# Altium PCB 1166V10.PcbDoc (part 4 of 6) (continued)
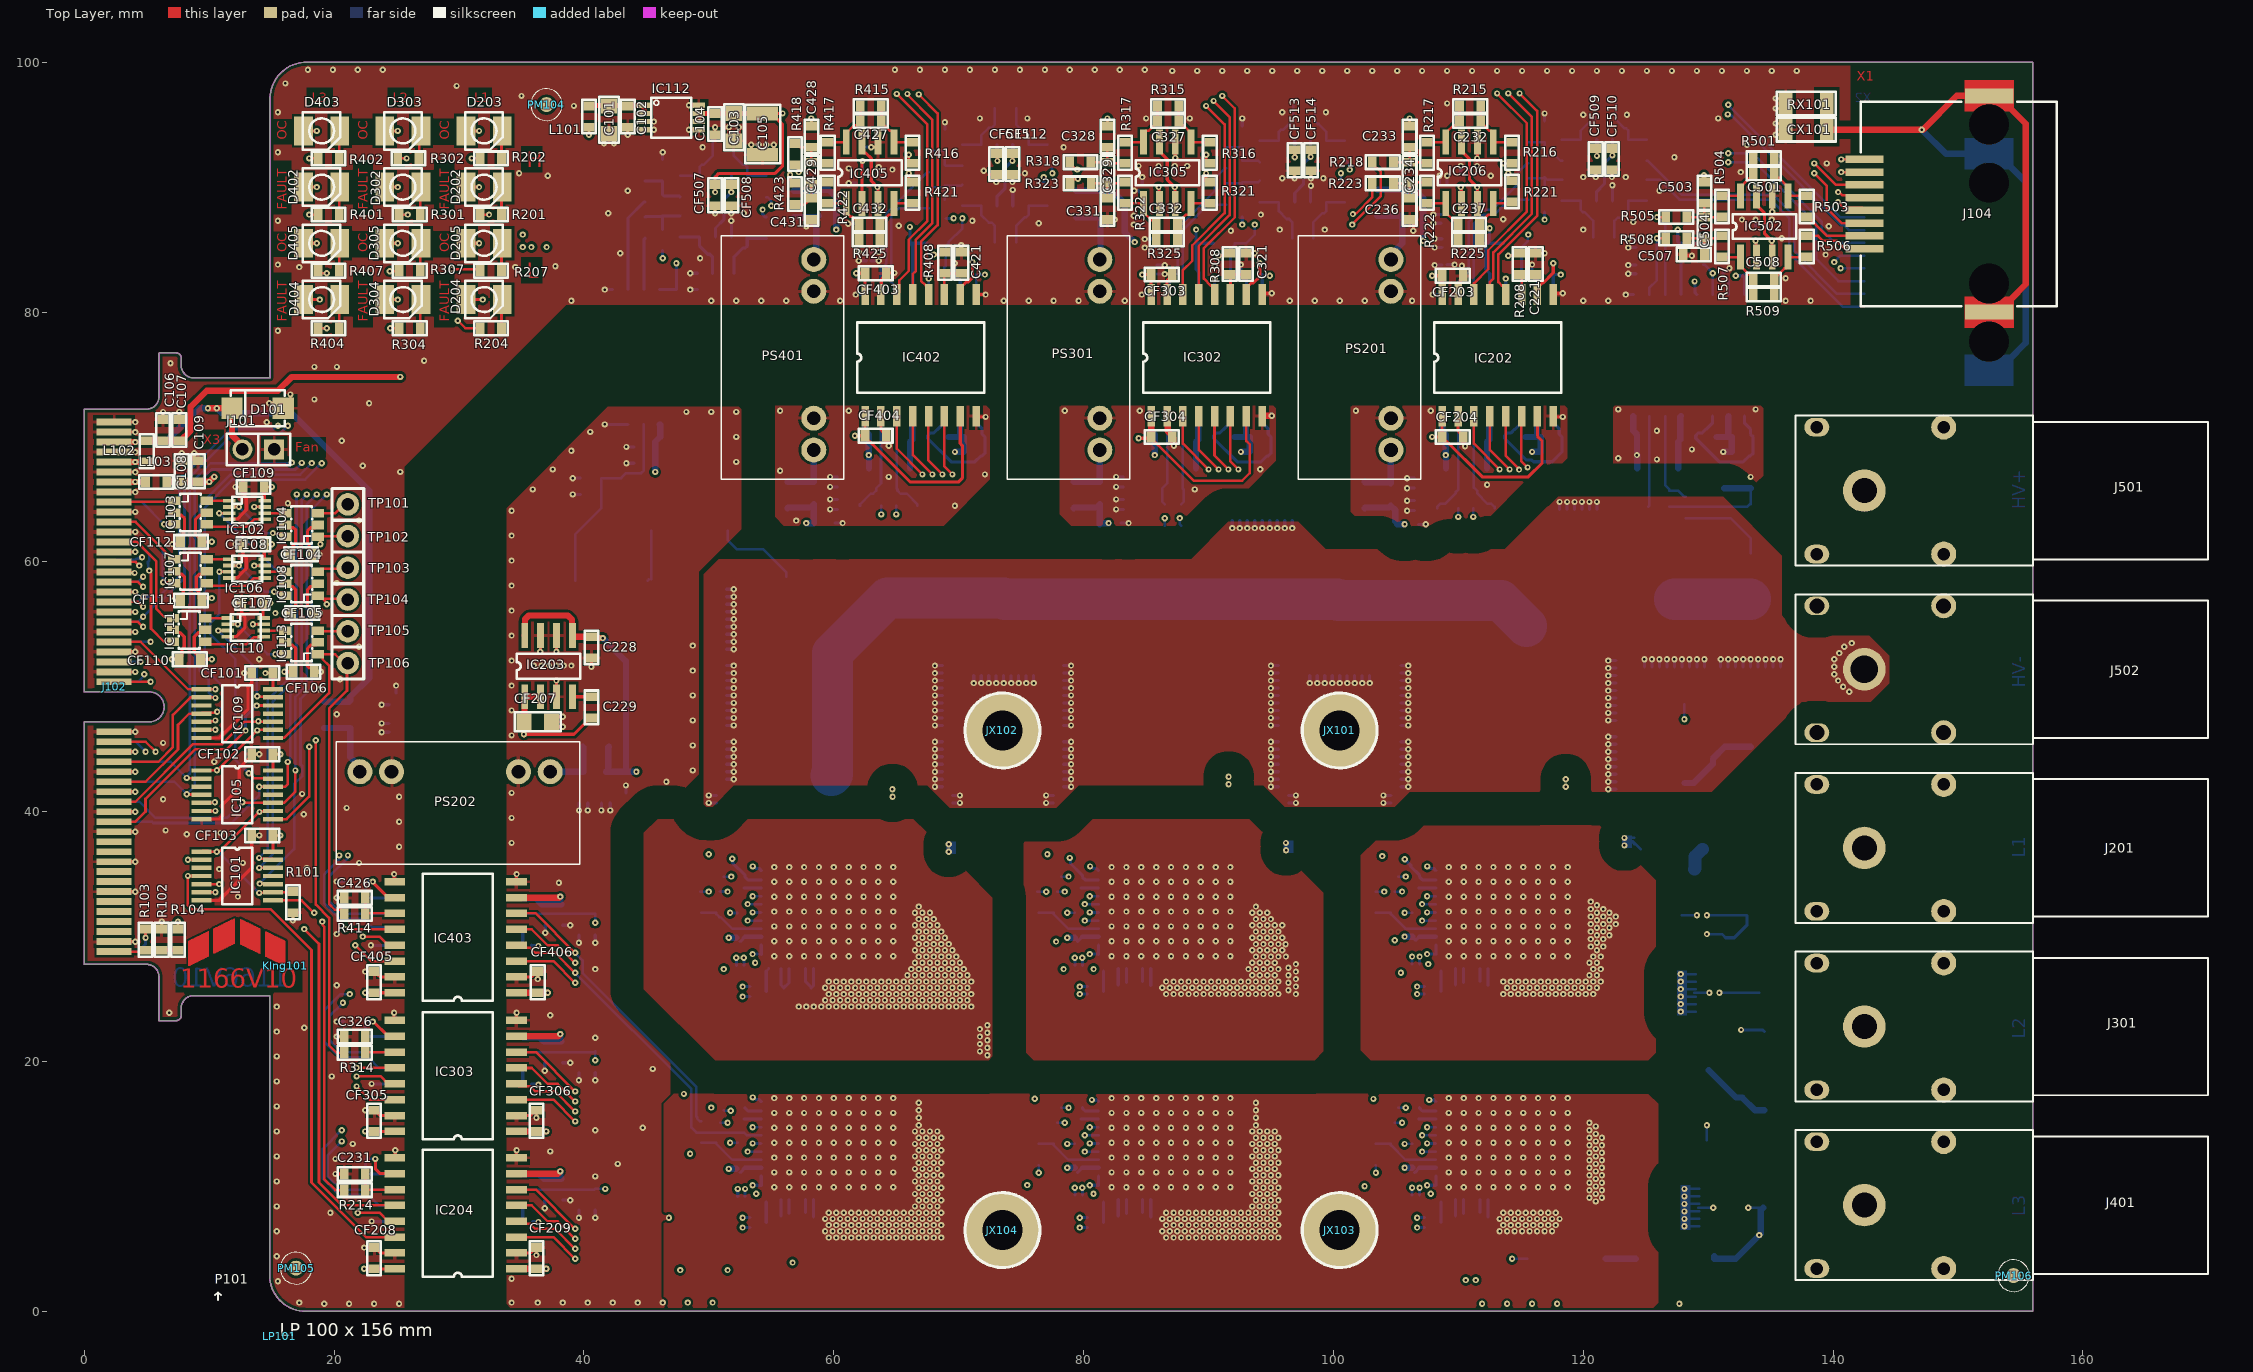
[diagram p0: Top Layer view]
## Nets (pads, with @x,y where several pads share a name; then routed paths per layer and width w, separated by ;. In a path a pad name is that pad's centre, name@x,y a point inside that pad or via, vN(x,y) a via of type N, cw(c..) or ccw(c..) an arc to the next point about the centre after c; other vN are vias at no path point) (continued)
NetC321_2: C321.2 IC302.11 R308.1 | length 2.9
  Top Layer w0.203: IC302.11@91.76,81.4 91.76,82.94 R308.1@91.7,83 C321.2@93,83
NetC323_2: C323.2 Q302.53 | length 1.4
  Bottom Layer w0.254: C323.2@79.9,16.3 79.9,16.258 80.123,16.035 Q302.53@81.2,16.035
NetC324_1: C324.1 Q302.41 Q302.42 | length 2.4
  Bottom Layer w0.254: C324.1@82.775,7.625 Q302.42@82.775,8.95 ; C324.1@83.425,7.825 Q302.41@83.425,8.95
NetC325_2: C325.2 Q302.47 R313.1 | length 5.4
  Bottom Layer w0.203: R313.1@76.4,13.4 C325.2@77.6,13.4 77.6,13.3 78.765,12.135 Q302.47@81.2,12.135
NetC326_2: C326.2 IC303.11 R314.1 | length 3.7
  Top Layer w0.203: C326.2@22.5,22 R314.1@22.5,20.7 22.55,20.75 IC303.11@24.85,20.75
NetC327_1: C327.1 IC305.8 R315.1 R317.2 | length 5
  Top Layer w0.203: R317.2@83.31,93.6 IC305.8@84.8,93.6 84.8,94.325 84.973,94.498 85.208,94.498 85.91,95.2 C327.1@85.91,95.3 R315.1@85.91,96.5
NetC327_2: C327.2 IC305.5 R315.2 R316.1 | length 4.9
  Top Layer w0.203: R315.2@87.61,96.5 C327.2@87.61,95.3 87.61,95.2 87.858,94.952 87.983,94.952 88.61,94.325 IC305.5@88.61,93.6 R316.1@90.11,93.6
NetC328_1: C328.1 C329.2 R317.1 R318.2 | length 3.9
  Top Layer w0.203: R318.2@80.6,92 C329.2@81.9,92 ; C328.1@81.91,93.2 C329.2@81.91,92 82.01,91.9 R317.1@83.31,91.9
NetC329_1: C329.1 C331.2 R322.1 R323.2 | length 3.9
  Top Layer w0.203: R323.2@80.61,90.3 C329.1@81.91,90.3 ; C331.2@81.91,89.1 C329.1@81.91,90.3 ; R322.1@83.31,90.4 83.21,90.3 C329.1@81.91,90.3
NetC330_2: C330.2 IC304.2 R319.1 R324.1 | length 116.9
  Layer 6 w0.203: v1(111.4,2.5) 113.7,4.8 121.8,4.8 125.048,8.048 125.048,11.213 128.735,14.9 v1(129.9,14.9)
  Layer 5 w0.203: v1(40.9,20.1) 41.5,19.5 41.5,11.2 51.394,1.306 110.206,1.306 v1(111.4,2.5)
  Bottom Layer w0.203: IC304.2@35.1,20.73 40.83,20.73 R324.1@40.9,20.8 v1(40.9,20.1) ; R319.1@129.9,13.7 v1(129.9,14.9)
NetC332_1: C332.1 IC305.1 R322.2 R325.1 | length 4.9
  Top Layer w0.203: R322.2@83.31,88.7 IC305.1@84.8,88.7 84.8,87.975 85.427,87.348 85.562,87.348 85.81,87.1 C332.1@85.81,87 R325.1@85.81,85.8
NetC332_2: C332.2 IC305.4 R321.1 R325.2 | length 5
  Top Layer w0.203: R325.2@87.51,85.8 C332.2@87.51,87 87.51,87.1 88.212,87.802 88.437,87.802 88.61,87.975 IC305.4@88.61,88.7 R321.1@90.11,88.7
NetC407_2: C407.2 L401.2 PS401.1 | length 5.5
  Bottom Layer w0.508: L401.2@56.8,87.6 C407.2@58.7,87.6 ; PS401.1@58.4,84.3 58.6,84.5 58.6,87.5 C407.2@58.7,87.6 ; C407.2@58.8,87.7 C407.2@58.7,87.6
NetC410_1: C410.1 Q401.41 Q401.42 | length 3.4
  Bottom Layer w0.254: Q401.42@55.775,27.45 55.775,26.125 C410.1@56,25.9 56.425,26.325 Q401.41@56.425,27.45
NetC411_2: C411.2 IC401.13 IC401.16 | length 8.2
  Layer 2 w0.203: v1(67.603,82.681) 67.684,82.681 68.002,83 v1(72.1,83)
  Bottom Layer w0.203: IC401.13@67.59,81.4 67.597,81.407 67.597,82.675 v1(67.603,82.681) ; IC401.16@71.4,81.4 C411.2@71.4,83 v1(72.1,83)
NetC414_2: C414.2 Q401.47 R406.1 | length 5.4
  Bottom Layer w0.203: R406.1@49.4,31.9 C414.2@50.6,31.9 50.6,31.8 50.848,31.552 50.948,31.552 51.865,30.635 Q401.47@54.2,30.635
NetC415_1: C415.1 C416.1 C417.1 IC401.1 IC401.3 | length 11.4
  Bottom Layer w0.254: IC401.3@68.86,71.65 68.86,71.125 68.335,70.6 68.3,70.6 68.023,70.323 67.723,70.323 67.5,70.1 67.5,70 67.5,69.9 69.4,68 71.3,68 71.777,68.477 71.877,68.477 72.1,68.7 72.1,68.8 72.1,70 71.877,70.223 71.877,70.648 71.4,71.125 IC401.1@71.4,71.65
NetC418_1: C418.1 C419.1 IC401.5 | length 4.2
  Bottom Layer w0.508: C419.1@66.1,67.5 66.1,69.6 66.274,69.774 66.274,71.604 IC401.5@66.32,71.65
NetC420_1: C420.1 IC401.7 R410.2 | length 8
  Bottom Layer w0.203: R410.2@62.1,64.5 62.1,64.6 62.952,65.452 63.152,65.452 63.4,65.7 C420.1@63.4,65.8 63.4,65.9 63.78,66.28 IC401.7@63.78,71.65
NetC420_2: C420.2 IC401.6 R409.2 | length 8.1
  Bottom Layer w0.203: IC401.6@65.05,71.65 65.05,65.85 C420.2@65.1,65.8 65.1,65.7 65.348,65.452 65.848,65.452 66.7,64.6 R409.2@66.7,64.5
NetC421_2: C421.2 IC402.11 R408.1 | length 3
  Top Layer w0.203: IC402.11@68.86,81.4 68.86,83.06 R408.1@68.9,83.1 C421.2@70.2,83.1
NetC423_2: C423.2 Q402.53 | length 1.4
  Bottom Layer w0.254: C423.2@52.9,16.3 52.9,16.258 53.123,16.035 Q402.53@54.2,16.035
NetC424_1: C424.1 Q402.41 Q402.42 | length 2.4
  Bottom Layer w0.254: C424.1@55.775,7.625 Q402.42@55.775,8.95 ; C424.1@56.425,7.825 Q402.41@56.425,8.95
NetC425_2: C425.2 Q402.47 R413.1 | length 5.4
  Bottom Layer w0.203: R413.1@49.4,13.5 C425.2@50.6,13.5 50.6,13.4 51.865,12.135 Q402.47@54.2,12.135
NetC426_2: C426.2 IC403.11 R414.1 | length 3.7
  Top Layer w0.203: C426.2@22.5,33.1 R414.1@22.5,31.8 22.55,31.85 IC403.11@24.85,31.85
NetC427_1: C427.1 IC405.8 R415.1 R417.2 | length 5
  Top Layer w0.203: R417.2@59.51,93.6 IC405.8@61,93.6 61,94.325 61.627,94.952 61.862,94.952 62.11,95.2 C427.1@62.11,95.3 R415.1@62.11,96.5
NetC427_2: C427.2 IC405.5 R415.2 R416.1 | length 4.9
  Top Layer w0.203: R415.2@63.81,96.5 C427.2@63.81,95.3 63.81,95.2 64.512,94.498 64.637,94.498 64.81,94.325 IC405.5@64.81,93.6 R416.1@66.31,93.6
NetC428_1: C428.1 C429.2 R417.1 R418.2 | length 4
  Top Layer w0.203: R418.2@56.9,93.5 57,93.5 57.3,93.2 C428.1@58.21,93.2 C429.2@58.21,92 58.31,91.9 R417.1@59.51,91.9
NetC429_1: C429.1 C431.2 R422.1 R423.2 | length 4.1
  Top Layer w0.203: R423.2@56.9,88.6 57.655,88.6 57.862,88.807 57.862,88.852 58.11,89.1 C431.2@58.21,89.1 C429.1@58.21,90.3 59.41,90.3 R422.1@59.51,90.4
NetC430_2: C430.2 IC404.2 R419.1 R424.1 | length 85.8
  Layer 6 w0.203: v1@114.4,4.1 v1@114.5,4.2
  Layer 5 w0.203: v1(41.7,9.8) 42.325,9.8 51.225,0.9 111,0.9 v1(114.3,4.2) ; v1@114.2,4.3 v1@114.3,4.4
  Bottom Layer w0.203: IC404.2@35.1,9.73 40.83,9.73 R424.1@40.9,9.8 v1(41.7,9.8) ; v1(114.3,4.2) R419.1@115.5,4.2
NetC432_1: C432.1 IC405.1 R422.2 R425.1 | length 4.9
  Top Layer w0.203: R422.2@59.51,88.7 IC405.1@61,88.7 61,87.975 61.339,87.636 61.474,87.636 62.01,87.1 C432.1@62.01,87 R425.1@62.01,85.8
NetC432_2: C432.2 IC405.4 R421.1 R425.2 | length 5
  Top Layer w0.203: R425.2@63.71,85.8 C432.2@63.71,87 63.71,87.1 64.412,87.802 64.637,87.802 64.81,87.975 IC405.4@64.81,88.7 R421.1@66.31,88.7
NetC501_1: C501.1 IC502.8 R501.1 R504.2 | length 4.9
  Top Layer w0.203: R504.2@131.1,89.3 IC502.8@132.59,89.3 132.59,90.025 132.763,90.198 132.798,90.198 133.6,91 C501.1@133.6,91.1 R501.1@133.6,92.3
NetC501_2: C501.2 IC502.5 R501.2 R503.1 | length 5
  Top Layer w0.203: R501.2@135.3,92.3 C501.2@135.3,91.1 135.3,91 135.548,90.752 135.673,90.752 136.4,90.025 IC502.5@136.4,89.3 R503.1@137.9,89.3
NetC502_2: C502.2 IC501.13 IC501.16 | length 7
  Top Layer w0.254: v1@128.862,82.499 v1(128.909,82.452)
  Layer 2 w0.254: v1(128.909,82.452) 131.752,82.452 v1(132.2,82.9)
  Bottom Layer w0.254: v1(128.909,82.452) 128.956,82.404 128.956,81.534 IC501.13@129.09,81.4 ; v1(132.2,82.9) 132.8,82.9 C502.2@132.9,83 IC501.16@132.9,81.4
NetC503_1: C503.1 C504.2 R504.1 R505.2 | length 3.9
  Top Layer w0.203: R505.2@128.3,87.6 C504.2@129.7,87.6 ; C503.1@129.7,88.7 C504.2@129.7,87.6 ; R504.1@131.1,87.6 C504.2@129.7,87.6
NetC504_1: C504.1 C507.2 R507.1 R508.2 | length 4
  Top Layer w0.203: R508.2@128.3,85.9 C504.1@129.7,85.9 ; C507.2@129.7,84.8 C504.1@129.7,85.9 ; R507.1@131.1,86.1 130.9,85.9 C504.1@129.7,85.9
NetC508_1: C508.1 IC502.1 R507.2 R509.1 | length 4.9
  Top Layer w0.203: R507.2@131.1,84.4 IC502.1@132.59,84.4 132.59,83.675 133.317,82.948 133.352,82.948 133.6,82.7 C508.1@133.6,82.6 R509.1@133.6,81.4
NetC508_2: C508.2 IC502.4 R506.1 R509.2 | length 5
  Top Layer w0.203: R509.2@135.3,81.4 C508.2@135.3,82.6 135.3,82.7 136.102,83.502 136.227,83.502 136.4,83.675 IC502.4@136.4,84.4 R506.1@137.9,84.4
NetC509_1: C509.1 IC504.8 R510.1 R514.2 | length 5
  Bottom Layer w0.254: R514.2@47.7,86 IC504.8@49.26,86 49.26,85.275 49.912,84.623 50.077,84.623 50.3,84.4 C509.1@50.3,84.3 R510.1@50.3,83.1
NetC509_2: C509.2 IC504.5 R510.2 R513.1 | length 5
  Bottom Layer w0.254: R510.2@52,83.1 C509.2@52,84.3 52,84.4 52.727,85.127 52.922,85.127 53.07,85.275 IC504.5@53.07,86 53.17,85.9 R513.1@54.6,85.9
NetC510_1: C510.1 C511.1 C512.1 IC501.1 IC501.3 | length 11.4
  Bottom Layer w0.254: IC501.3@130.36,71.65 130.36,71.125 129.835,70.6 129.8,70.6 129.523,70.323 129.223,70.323 129,70.1 C510.1@129,70 129,69.9 130.9,68 132.8,68 133.277,68.477 133.377,68.477 133.6,68.7 C512.1@133.6,68.8 C511.1@133.6,70 133.377,70.223 133.377,70.648 132.9,71.125 IC501.1@132.9,71.65
NetC513_1: C513.1 C514.1 IC501.5 | length 4.2
  Bottom Layer w0.508: C514.1@127.6,67.5 C513.1@127.6,69.6 127.774,69.774 127.774,71.604 IC501.5@127.82,71.65
NetC515_1: C515.1 IC501.7 R517.2 | length 7.3
  Bottom Layer w0.203: R517.2@125.2,64.4 125.28,64.48 IC501.7@125.28,71.65
NetC515_2: C515.2 IC501.6 R516.2 | length 7.6
  Bottom Layer w0.203: IC501.6@126.55,71.65 126.55,66.15 126.9,65.8 C515.2@126.9,65.7 127.6,65.7 128.1,65.2 R516.2@128.2,65.2
NetC516_1: C516.1 C517.2 R514.1 R515.2 | length 3.9
  Bottom Layer w0.254: R515.2@44.9,87.6 44.95,87.65 46.25,87.65 C517.2@46.3,87.7 ; C516.1@46.3,86.6 C517.2@46.3,87.7 ; R514.1@47.7,87.7 C517.2@46.3,87.7
NetC517_1: C517.1 C519.2 R520.1 R521.2 | length 4
  Bottom Layer w0.254: R521.2@44.9,90.5 C519.2@46.3,90.5 C517.1@46.3,89.4 46.4,89.3 47.6,89.3 R520.1@47.7,89.2
NetC518_2: C518.2 IC503.2 R512.1 R522.1 | length 16.4
  Bottom Layer w0.203: R512.1@39.3,58.5 39.3,62.2 41.4,64.3 C518.2@41.4,66.7 42.974,66.7 43.374,67.1 44.581,67.1 44.8,67.319 IC503.2@44.8,71
NetC520_1: C520.1 IC504.1 R520.2 R523.1 | length 5
  Bottom Layer w0.203: R520.2@47.7,90.9 IC504.1@49.26,90.9 49.26,91.625 49.433,91.798 49.598,91.798 50.3,92.5 C520.1@50.3,92.6 R523.1@50.3,93.8
NetC520_2: C520.2 IC504.4 R519.1 R523.2 | length 5
  Bottom Layer w0.203: R523.2@52,93.8 C520.2@52,92.6 52,92.5 52.702,91.798 52.897,91.798 53.07,91.625 IC504.4@53.07,90.9 R519.1@54.6,90.9
NetC528_1: C528.1 IC505.8 R524.1 R526.2 | length 4.9
  Bottom Layer w0.203: R526.2@118.3,88.9 IC505.8@119.8,88.9 119.8,88.175 119.973,88.002 120.098,88.002 120.8,87.3 C528.1@120.8,87.2 R524.1@120.8,86
NetC528_2: C528.2 IC505.5 R524.2 R525.1 | length 5
  Bottom Layer w0.203: R524.2@122.5,86 C528.2@122.5,87.2 122.5,87.3 122.748,87.548 122.983,87.548 123.61,88.175 IC505.5@123.61,88.9 R525.1@125.07,88.9
NetC529_1: C529.1 C530.2 R526.1 R527.2 | length 3.9
  Bottom Layer w0.203: R527.2@115.6,90.7 116.8,90.7 C530.2@116.9,90.8 ; C529.1@116.9,89.7 C530.2@116.9,90.8 ; R526.1@118.3,90.6 117.1,90.6 C530.2@116.9,90.8
NetC530_1: C530.1 C532.2 R530.1 R531.2 | length 4
  Bottom Layer w0.203: R531.2@115.6,93.6 C532.2@116.9,93.6 C530.1@116.9,92.5 117.8,92.5 118.2,92.1 R530.1@118.3,92.1
NetC531_1: C531.1 IC506.8 R528.1 R533.2 | length 5
  Bottom Layer w0.203: R533.2@70.3,88.5 IC506.8@71.79,88.5 71.79,87.775 72.417,87.148 72.652,87.148 72.9,86.9 C531.1@72.9,86.8 R528.1@72.9,85.6
NetC531_2: C531.2 IC506.5 R528.2 R532.1 | length 4.9
  Bottom Layer w0.203: R528.2@74.6,85.6 C531.2@74.6,86.8 74.6,86.9 75.302,87.602 75.427,87.602 75.6,87.775 IC506.5@75.6,88.5 R532.1@77.1,88.5
NetC533_1: C533.1 IC505.1 R530.2 R535.1 | length 5
  Bottom Layer w0.203: R530.2@118.3,93.8 IC505.1@119.8,93.8 119.8,94.525 120.427,95.152 120.652,95.152 120.9,95.4 C533.1@120.9,95.5 R535.1@120.9,96.7
NetC533_2: C533.2 IC505.4 R529.1 R535.2 | length 4.9
  Bottom Layer w0.203: R535.2@122.6,96.7 C533.2@122.6,95.5 122.6,95.4 123.302,94.698 123.437,94.698 123.61,94.525 IC505.4@123.61,93.8 R529.1@125.07,93.8
NetC534_1: C534.1 C535.2 R533.1 R534.2 | length 3.9
  Bottom Layer w0.203: R534.2@67.6,90 68.8,90 C535.2@68.9,90.1 ; C534.1@68.9,89 C535.2@68.9,90.1 ; R533.1@70.3,90.2 70.2,90.1 C535.2@68.9,90.1
NetC535_1: C535.1 C536.2 R537.1 R538.2 | length 3.8
  Bottom Layer w0.203: R538.2@67.6,92.9 C536.2@68.9,92.9 C535.1@68.9,91.8 69,91.7 R537.1@70.3,91.7
NetC537_1: C537.1 IC506.1 R537.2 R540.1 | length 5
  Bottom Layer w0.203: R537.2@70.3,93.4 IC506.1@71.79,93.4 71.79,94.125 72.417,94.752 72.652,94.752 72.9,95 C537.1@72.9,95.1 R540.1@72.9,96.3
NetC537_2: C537.2 IC506.4 R536.1 R540.2 | length 4.9
  Bottom Layer w0.203: R540.2@74.6,96.3 C537.2@74.6,95.1 74.6,95 75.302,94.298 75.427,94.298 75.6,94.125 IC506.4@75.6,93.4 R536.1@77.1,93.4
NetC538_1: C538.1 IC507.8 R539.1 R542.2 | length 5
  Bottom Layer w0.203: R542.2@94.1,88.8 IC507.8@95.63,88.8 95.63,88.075 96.257,87.448 96.452,87.448 96.7,87.2 C538.1@96.7,87.1 R539.1@96.7,85.9
NetC538_2: C538.2 IC507.5 R539.2 R541.1 | length 4.9
  Bottom Layer w0.203: R539.2@98.4,85.9 C538.2@98.4,87.1 98.4,87.2 99.102,87.902 99.267,87.902 99.44,88.075 IC507.5@99.44,88.8 R541.1@100.9,88.8
NetC539_1: C539.1 C540.2 R542.1 R543.2 | length 3.9
  Bottom Layer w0.203: R543.2@91.4,90.3 92.6,90.3 C540.2@92.7,90.4 ; C539.1@92.7,89.3 C540.2@92.7,90.4 ; R542.1@94.1,90.5 94,90.4 C540.2@92.7,90.4
NetC540_1: C540.1 C541.2 R545.1 R546.2 | length 3.8
  Bottom Layer w0.203: R546.2@91.4,93.2 C541.2@92.7,93.2 C540.1@92.7,92.1 94,92.1 R545.1@94.1,92
NetC542_1: C542.1 IC507.1 R545.2 R547.1 | length 5.1
  Bottom Layer w0.203: R545.2@94.1,93.7 IC507.1@95.63,93.7 95.63,94.425 95.803,94.598 95.998,94.598 96.452,95.052 96.552,95.052 96.8,95.3 C542.1@96.8,95.4 R547.1@96.8,96.6
NetC542_2: C542.2 IC507.4 R544.1 R547.2 | length 4.8
  Bottom Layer w0.203: R547.2@98.5,96.6 C542.2@98.5,95.4 98.5,95.3 98.748,95.052 98.813,95.052 99.44,94.425 IC507.4@99.44,93.7 R544.1@100.9,93.7
NetCF201_1: CF201.1 L202.1 PS201.7 | length 4.8
  Bottom Layer w0.508: L202.1@102.5,66.4 102.546,66.354 104.546,66.354 CF201.1@104.6,66.3 PS201.7@104.6,68.96
NetCF205_1: CF205.1 L205.1 PS202.7 | length 4.7
  Bottom Layer w0.508: PS202.7@37.3,43.2 CF205.1@39.9,43.2 ; L205.1@39.9,45.2 39.93,45.17 39.93,43.23 CF205.1@39.9,43.2 ; CF205.1@39.96,43.2 CF205.1@39.9,43.2
NetCF301_1: CF301.1 L302.1 PS301.7 | length 4.8
  Bottom Layer w0.508: L302.1@79.2,66.4 CF301.1@81.3,66.4 PS301.7@81.3,69.06
NetCF401_1: CF401.1 L402.1 PS401.7 | length 4.8
  Bottom Layer w0.508: L402.1@56.3,66.4 CF401.1@58.4,66.4 PS401.7@58.4,69.06
NetD202_2: D202.2 R201.1 | length 2.2
  Top Layer w0.203: R201.1@33.4,87.8 33.4,89.95 D202.2@33.45,90
NetD203_2: D203.2 R202.1 | length 2.2
  Top Layer w0.203: R202.1@33.4,92.3 33.4,94.45 D203.2@33.45,94.5
NetD204_2: D204.2 R204.1 | length 2.3
  Top Layer w0.203: R204.1@33.4,78.7 D204.2@33.4,80.95 ; D204.2@33.45,81 D204.2@33.5,80.95
NetD205_2: D205.2 R207.1 | length 2.2
  Top Layer w0.203: R207.1@33.4,83.3 33.4,85.45 D205.2@33.45,85.5
NetD302_2: D302.2 R301.1 | length 2.2
  Top Layer w0.203: R301.1@26.9,87.8 26.9,89.95 D302.2@26.95,90
NetD303_2: D303.2 R302.1 | length 2.3
  Top Layer w0.203: R302.1@26.8,92.3 26.8,94.35 D303.2@26.95,94.5
NetD304_2: D304.2 R304.1 | length 2.3
  Top Layer w0.203: R304.1@26.9,78.7 26.9,80.95 D304.2@26.95,81
NetD305_2: D305.2 R307.1 | length 2.2
  Top Layer w0.203: R307.1@26.9,83.3 26.9,85.45 D305.2@26.95,85.5
NetD402_2: D402.2 R401.1 | length 2.2
  Top Layer w0.203: R401.1@20.4,87.8 20.4,89.95 D402.2@20.45,90
NetD403_2: D403.2 R402.1 | length 2.2
  Top Layer w0.203: R402.1@20.4,92.3 20.4,94.45 D403.2@20.45,94.5
NetD404_2: D404.2 R404.1 | length 2.3
  Top Layer w0.203: R404.1@20.4,78.7 20.4,80.95 D404.2@20.45,81
NetD405_2: D405.2 R407.1 | length 2.2
  Top Layer w0.203: R407.1@20.4,83.3 20.4,85.45 D405.2@20.45,85.5
NetIC101_5: IC101.5 IC102.7 | length 34.8
  Top Layer w0.203: IC101.5@9.7,34.2 v1(10.8,34.2) ; v1(13.6,64.4) IC102.7@14.45,64.4
  Layer 3 w0.203: v1(10.8,34.2) 9.394,35.606 9.394,51.138 9,51.532 9,55.075 13,59.075 13,59.9 13.6,60.5 v1(13.6,64.4)
NetIC101_13: IC101.13 IC102.3 | length 33
  Top Layer w0.203: v1(10.8,63.9) IC102.3@11.6,63.9 ; v1(13.993,36.292) 14.073,36.292 14.142,36.223 15.027,36.223 IC101.13@15.1,36.15
  Bottom Layer w0.203: v1(10.8,63.9) 16.581,58.119 16.581,50.881 14.694,48.994 14.694,37.013 13.993,36.313 v1(13.993,36.292)
NetIC102_1: IC102.1 IC103.6 | length 1.8
  Top Layer w0.203: IC103.6@9.791,64.9 IC102.1@11.6,64.9
NetIC102_2: IC102.2 IC104.6 | length 5.5
  Top Layer w0.203: IC102.2@11.6,64.4 v1(12.383,64.4) ; v1(15.1,62.3) 15.18,62.3 15.244,62.236 15.859,62.236 IC104.6@16.1,61.995
  Bottom Layer w0.203: v1(12.383,64.4) 14.483,62.3 v1(15.1,62.3)
NetIC102_5: IC102.5 IC103.4 | length 5
  Top Layer w0.203: IC103.4@9.791,62.995 9.986,62.8 13,62.8 13.6,63.4 IC102.5@14.45,63.4
NetIC102_6: IC102.6 IC104.4 | length 1.7
  Top Layer w0.203: IC102.6@14.45,63.9 IC104.4@16.1,63.9
NetIC105_5: IC105.5 IC106.7 | length 23
  Top Layer w0.203: IC105.5@9.4,40.7 9.428,40.728 10.43,40.728 v1(10.459,40.757) ; v1(13.6,59.7) IC106.7@14.45,59.7
  Layer 3 w0.203: v1(10.459,40.757) 10.459,40.799 9.8,41.458 9.8,51.306 9.406,51.7 9.406,54.906 13.543,59.043 13.543,59.643 v1(13.6,59.7)
NetIC105_13: IC105.13 IC106.3 | length 20.6
  Top Layer w0.203: v1(10.817,59.2) IC106.3@11.6,59.2 ; v1(13.17,43.07) 13.581,42.66 15.09,42.66 IC105.13@15.1,42.65
  Bottom Layer w0.203: v1(10.817,59.2) 10.817,55.817 10.1,55.1 10.1,54.2 12.1,52.2 12.1,44.141 v1(13.17,43.07)
NetIC106_1: IC106.1 IC107.6 | length 1.6
  Top Layer w0.203: IC107.6@9.791,60.2 IC106.1@11.4,60.2
NetIC106_2: IC106.2 IC108.6 | length 5.5
  Top Layer w0.203: IC106.2@11.6,59.7 v1(12.383,59.7) ; v1(15.2,57.6) 15.28,57.6 15.344,57.536 15.859,57.536 IC108.6@16.1,57.295
  Bottom Layer w0.203: v1(12.383,59.7) 14.483,57.6 v1(15.2,57.6)
NetIC106_5: IC106.5 IC107.4 | length 5
  Top Layer w0.203: IC107.4@9.791,58.295 9.986,58.1 13,58.1 13.6,58.7 IC106.5@14.45,58.7
NetIC106_6: IC106.6 IC108.4 | length 1.9
  Top Layer w0.203: IC106.6@14.25,59.2 IC108.4@16.1,59.2
NetIC109_5: IC109.5 IC110.7 | length 11.2
  Top Layer w0.203: IC109.5@9.4,47.2 9.45,47.25 10.45,47.25 v1(10.5,47.3) ; v1(13.5,55) IC110.7@14.35,55
  Layer 3 w0.203: v1(10.5,47.3) 10.557,47.357 10.957,47.357 11.187,47.587 11.187,51.449 13.5,53.762 v1(13.5,55)
NetIC109_13: IC109.13 IC110.3 | length 8.6
  Top Layer w0.203: v1(10.717,54.5) IC110.3@11.5,54.5 ; v1(13.841,49.241) 13.886,49.195 15.055,49.195 IC109.13@15.1,49.15
  Bottom Layer w0.203: v1(10.717,54.5) 13.8,51.417 13.8,49.281 v1(13.841,49.241)
NetIC110_1: IC110.1 IC111.6 | length 1.7
  Top Layer w0.203: IC111.6@9.691,55.5 IC110.1@11.4,55.5
NetIC110_2: IC110.2 IC113.6 | length 5.6
  Top Layer w0.203: IC110.2@11.5,55 v1(12.283,55) ; v1(15.3,52.6) 16.095,52.6 IC113.6@16.1,52.595
  Bottom Layer w0.203: v1(12.283,55) 14.665,52.618 15.282,52.618 v1(15.3,52.6)
NetIC110_5: IC110.5 IC111.4 | length 5
  Top Layer w0.203: IC111.4@9.691,53.595 9.886,53.4 13,53.4 13.552,53.952 14.302,53.952 IC110.5@14.35,54
NetIC110_6: IC110.6 IC113.4 | length 1.9
  Top Layer w0.203: IC110.6@14.25,54.5 IC113.4@16.1,54.5
NetIC202_3: IC202.3 Q201.51 | length 43.1
  Top Layer w0.203: IC202.3@111.24,71.7 111.24,69.46 v1(113.3,67.4)
  Layer 5 w0.203: v1(107.5,33.235) 107,33.735 107,35.1 106.959,35.141 106.959,35.984 107.152,36.178 107.563,36.178 111.194,39.808 111.194,60.408 113.3,62.514 v1(113.3,67.4)
  Bottom Layer w0.203: v1(107.5,33.235) Q201.51@108.185,33.235
NetIC202_4: IC202.4 Q201.50 | length 44.1
  Top Layer w0.203: IC202.4@112.51,71.7 112.51,68.99 v1(114.1,67.4)
  Layer 5 w0.203: v1(107.1,32.6) 107.7,32.6 108.1,33 108.1,36.14 111.6,39.64 111.6,60.24 113.706,62.346 113.706,67.006 v1(114.1,67.4)
  Bottom Layer w0.203: v1(107.1,32.6) 108.185,32.6 Q201.50@108.2,32.585
NetIC202_5: IC202.5 Q201.48 | length 45.5
  Top Layer w0.203: IC202.5@113.78,71.7 113.78,68.52 114.858,67.442 v1(114.858,67.389)
  Layer 5 w0.203: v1(107.1,31.285) 107.685,31.285 108.506,32.106 108.506,35.972 112.006,39.472 112.006,60.071 114.113,62.178 114.113,66.628 114.858,67.373 v1(114.858,67.389)
  Bottom Layer w0.203: v1(107.1,31.285) Q201.48@108.185,31.285
NetIC202_6: IC202.6 R206.2 | length 46.3
  Top Layer w0.203: IC202.6@115.05,71.7 115.05,68.05 v1(115.54,67.56)
  Layer 5 w0.203: v1(104.076,33.6) 104.797,34.321 104.797,34.691 105.461,35.355 105.755,35.355 106.984,36.584 107.395,36.584 110.787,39.977 110.787,60.576 112.894,62.683 112.894,66.9 112.745,67.048 112.745,67.63 112.8,67.685 112.8,67.7 113.055,67.955 115.145,67.955 v1(115.54,67.56)
  Bottom Layer w0.203: R206.2@103.376,33.6 R206.2@103.4,33.6 v1(104.076,33.6)
NetIC204_3: IC204.3 Q202.48 | length 84.1
  Top Layer w0.203: IC204.3@34.6,5.94 37.56,5.94 v1(39.3,4.2)
  Layer 4 w0.203: v1(39.3,4.2) 42.013,1.487 102.537,1.487 105.624,4.574 105.624,10.024 107.1,11.5 v1(107.1,12.785)
  Bottom Layer w0.203: v1(107.1,12.785) Q202.48@108.185,12.785
NetIC204_4: IC204.4 Q202.50 | length 85.9
  Top Layer w0.203: IC204.4@34.798,7.012 35.688,7.012 36.1,6.6 37.7,6.6 v1(39.3,5)
  Layer 4 w0.203: v1(39.3,5) 42.406,1.894 102.368,1.894 105.145,4.67 105.145,13.67 105.568,14.094 107.094,14.094 v1(107.1,14.1)
  Bottom Layer w0.203: v1(107.1,14.1) 108.185,14.1 Q202.50@108.2,14.085
NetIC204_5: IC204.5 Q202.51 | length 86.6
  Top Layer w0.203: IC204.5@34.6,8.48 35.82,8.48 37.1,7.2 37.9,7.2 v1(39.3,5.8)
  Layer 4 w0.203: v1(39.3,5.8) 42.8,2.3 102.2,2.3 104.739,4.839 104.739,13.839 105.406,14.506 106.639,14.506 106.867,14.735 v1(107.5,14.735)
  Bottom Layer w0.203: v1(107.5,14.735) Q202.51@108.185,14.735
NetIC204_6: IC204.6 R213.2 | length 80.7
  Top Layer w0.203: IC204.6@34.6,9.75 36.15,9.75 v1(39.3,6.6)
  Layer 4 w0.203: v1(39.3,6.6) 43.194,2.706 102.032,2.706 104.332,5.007 104.332,10.168 v1(103.4,11.1)
  Bottom Layer w0.203: v1(103.4,11.1) R213.2@103.4,11.7
NetIC205_6: IC205.6 R223.1 | length 133
  Top Layer w0.203: v1(101.561,87.845) 101.617,87.902 101.827,87.902 103.1,89.175 R223.1@103.1,90.3
  Layer 2 w0.203: v1(20.4,36.5) 20,36.9 20,43.9 22.794,46.694 22.794,49.387 24.332,50.925 24.332,67.69 42.548,85.906 55.497,85.906 58.397,88.806 100.599,88.806 v1(101.561,87.845)
  Bottom Layer w0.203: v1(20.4,36.5) 20.4,36.175 19.2,34.975 19.2,32.7 20.476,31.424 22.376,31.424 23.042,30.758 24.102,30.758 IC205.6@24.3,30.56
NetIC205_7: IC205.7 R218.1 | length 134.5
  Top Layer w0.203: v1(101.5,87) 103.8,89.3 103.8,91.2 103.1,91.9 R218.1@103.1,92
  Layer 2 w0.203: v1(21.103,36.5) 21.103,36.58 20.955,36.729 20.955,36.745 20.406,37.294 20.406,43.732 23.2,46.525 23.2,49.219 24.738,50.757 24.738,67.522 42.716,85.5 55.665,85.5 58.565,88.4 100.1,88.4 v1(101.5,87)
  Bottom Layer w0.203: v1@21.1,36.3 19.606,34.806 19.606,32.868 20.645,31.83 IC205.7@24.3,31.83
NetIC302_3: IC302.3 Q301.51 | length 45.3
  Top Layer w0.203: IC302.3@87.94,71.7 87.94,69.46 v1(90,67.4)
  Layer 5 w0.203: v1(80.5,33.235) 79.9,33.835 79.9,35.8 85.087,40.987 85.087,64.012 88.475,67.4 v1(90,67.4)
  Bottom Layer w0.203: v1(80.5,33.235) Q301.51@81.185,33.235
NetIC302_4: IC302.4 Q301.50 | length 46.7
  Top Layer w0.203: IC302.4@89.21,71.7 89.21,68.99 v1(90.8,67.4)
  Layer 5 w0.203: v1(80.1,32.6) 80.781,32.6 81.259,33.078 81.259,36.584 85.494,40.819 85.494,63.844 88.495,66.845 90.245,66.845 v1(90.8,67.4)
  Bottom Layer w0.203: v1(80.1,32.6) 81.185,32.6 Q301.50@81.2,32.585
NetIC302_5: IC302.5 Q301.48 | length 48.4
  Top Layer w0.203: IC302.5@90.48,71.7 90.48,68.52 v1(91.6,67.4)
  Layer 5 w0.203: v1(80.1,31.285) 80.985,31.285 81.666,31.966 81.666,36.416 85.9,40.651 85.9,63.676 88.663,66.439 90.639,66.439 v1(91.6,67.4)
  Bottom Layer w0.203: v1(80.1,31.285) Q301.48@81.185,31.285
NetIC302_6: IC302.6 R306.2 | length 48.8
  Top Layer w0.203: IC302.6@91.75,71.7 91.75,68.05 v1(92.4,67.4)
  Layer 5 w0.203: v1(77.007,33.593) 77.007,33.6 77.778,34.371 77.778,34.578 78.8,35.6 79.1,35.6 84.681,41.181 84.681,64.181 88.5,68 91.8,68 v1(92.4,67.4)
  Bottom Layer w0.203: R306.2@76.307,33.593 v1(77.007,33.593)
NetIC303_3: IC303.3 Q302.48 | length 61.5
  Top Layer w0.203: IC303.3@34.6,16.94 37.56,16.94 v1(39.3,15.2)
  Layer 2 w0.203: v1(39.3,15.2) 41.576,15.2 55.189,1.587 75.611,1.587 78.506,4.482 78.506,10.406 80.1,12 v1(80.1,12.785)
  Bottom Layer w0.203: v1(80.1,12.785) Q302.48@81.185,12.785
NetIC303_4: IC303.4 Q302.50 | length 63.4
  Top Layer w0.203: IC303.4@34.798,18.012 35.688,18.012 36.1,17.6 37.7,17.6 v1(39.3,16)
  Layer 2 w0.203: v1(39.3,16) 41.351,16 55.357,1.994 75.443,1.994 78.1,4.651 78.1,10.575 78.106,10.581 78.106,13.732 78.468,14.094 v1@80.094,14.094
  Layer 3 w0.203: v1@80.094,14.094 v1(80.1,14.1)
  Bottom Layer w0.203: v1(80.1,14.1) 81.185,14.1 Q302.50@81.2,14.085
NetIC303_5: IC303.5 Q302.51 | length 64.1
  Top Layer w0.203: IC303.5@34.6,19.48 35.82,19.48 37.1,18.2 37.9,18.2 v1(39.3,16.8)
  Layer 2 w0.203: v1(39.3,16.8) 41.125,16.8 55.525,2.4 75.275,2.4 77.694,4.819 77.694,10.743 77.7,10.749 77.7,13.9 78.3,14.5 78.8,14.5 79.035,14.735 v1(80.5,14.735)
  Bottom Layer w0.203: v1(80.5,14.735) Q302.51@81.185,14.735